# KiCad board SmartEnergyMag_System.kicad_pcb (continued)
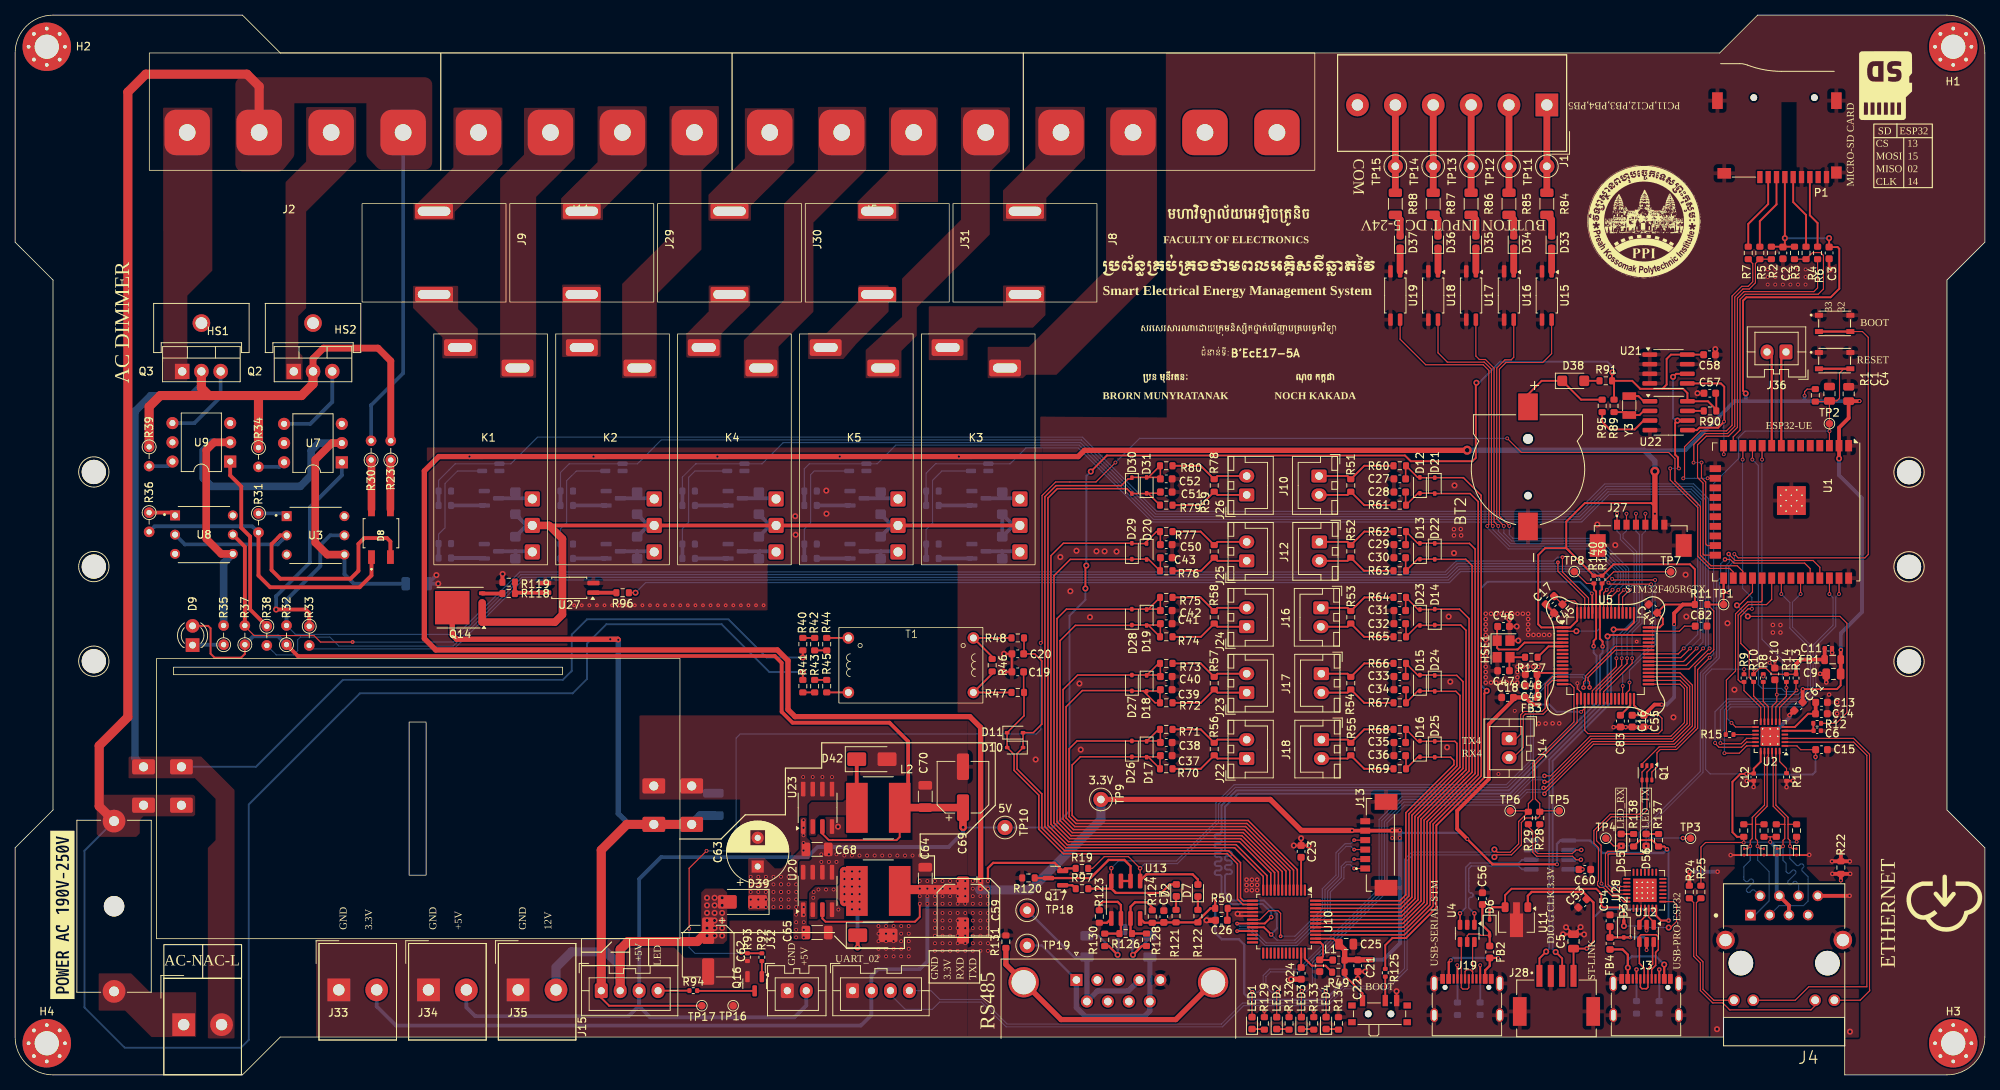
[diagram p0: board, top side]
## Routing (per net, layer and track width the routed paths; a pad name or vN(x,y) marks a point on that pad's centre or on a via; arc(x,y) is an arc through that point) (continued)
  Top w0.2: U10.47 182.85,22.5 183.98,23.63 183.98,34.47 190.31,40.81 190.31,43.79 190.04,44.07 D25.1 185.47,44.07 D16.2 185.12,44.11 R68.2 183.55,45.59 C35.1
/IC ENERGY/IN6: length 58.1
  Top w0.2: U10.3 169.24,27.12 162.76,33.6 140.19,33.6 139.52,34.27 139.52,40.94 140.61,42.02 151.12,42.02 151.12,40.44 149.59,41.97 D17.2
/IC ENERGY/IN7: length 67.7
  Top w0.2: 148.91,50.72 150.47,49.15 151.12,49.15 151.12,50.84 C39.1 151,50.72 148.91,50.72 ; 148.91,50.72 D27.1 147.35,50.77 140.87,50.77 138.73,48.63 138.73,33.94 139.86,32.8 162.43,32.8 168.24,26.99 U10.5
/IC ENERGY/IN8: length 76.6
  Top w0.2: U10.7 167.24,26.86 162.1,32 139.53,32.01 137.93,33.61 137.93,57.36 139.94,59.38 147.36,59.38 D28.1 150.99,59.42 C41.1 151.17,57.92 151.12,57.87 149.61,59.38 D19.2
/IC ENERGY/IN9: length 84.1
  Top w0.2: U10.9 166.25,26.73 161.77,31.2 139.2,31.21 137.12,33.28 137.12,65.95 139.27,68.1 147.37,68.1 D29.1 149.31,68.13 D20.2 149.63,68.09 151.12,66.6 151.17,66.65 C43.1
/IC ENERGY/IN10: length 95
  Top w0.2: D31.1 151.01,76.84 C51.1 ; D31.1 149.55,76.84 151.12,75.26 ; D31.1 149.31,76.79 D30.2 146.76,77.44 137.56,77.44 136.32,76.21 136.32,32.94 138.86,30.41 161.17,30.41 165.24,26.33 U10.11
/IC ENERGY/IP1: length 84.8
  Top w0.2: C28.1 183.55,75.31 R61.2 185.17,76.84 D12.1 187.34,76.84 D21.2 192.05,76.79 193.12,75.73 193.12,39.65 191.62,38.15 191.62,38.15 186.77,33.31 186.77,22.47 183.31,19 U10.40
/IC ENERGY/IP2: length 74
  Top w0.2: C30.1 183.55,66.65 R63.2 185.13,68.13 D13.1 187.36,68.13 D22.2 191.49,68.11 192.31,67.28 192.31,39.98 191.29,38.95 191.29,38.95 185.98,33.64 185.98,22.8 183.18,20 U10.42
/IC ENERGY/IP3: length 63.2
  Top w0.2: U10.44 183.05,21 185.18,23.13 185.18,33.97 190.95,39.75 190.96,39.75 191.51,40.31 191.51,58.72 190.81,59.42 D14.1 187.34,59.38 D23.2 185.11,59.38 R65.2 183.6,59.55 C32.1
/IC ENERGY/IP4: length 52.4
  Top w0.2: C34.1 183.6,50.84 R67.2 185.16,50.72 D15.1 187.34,50.72 D24.2 190.17,50.67 190.71,50.13 190.71,40.64 184.38,34.3 184.38,23.46 182.91,22 U10.46
/IC ENERGY/IP5: length 41.5
  Top w0.2: C36.1 183.6,42.12 R69.2 185.17,42.01 D16.1 185.47,41.97 D25.2 189.48,41.97 189.92,41.53 189.92,40.98 183.57,34.64 183.57,23.79 182.78,23 U10.48
/IC ENERGY/IP6: length 60.9
  Top w0.2: D17.1 150.93,45.64 151.12,45.64 151.17,45.59 C38.1 150.96,44.11 D26.2 140.16,44.11 139.12,43.08 139.12,34.1 140.02,33.2 162.59,33.2 168.74,27.05 U10.4
/IC ENERGY/IP7: length 69.8
  Top w0.2: U10.6 167.74,26.92 162.26,32.41 139.69,32.41 138.32,33.77 138.32,50.9 140.24,52.82 D27.2 150.97,52.82 C40.1 151.17,54.31 151.12,54.36 150.94,54.36 D18.1
/IC ENERGY/IP8: length 79.6
  Top w0.2: U10.8 166.74,26.79 161.93,31.6 139.36,31.61 137.52,33.44 137.52,60.28 138.77,61.52 D28.2 150.98,61.52 C42.1 151.17,63.02 151.12,63.07 149.53,61.48 D19.1
/IC ENERGY/IP9: length 87.2
  Top w0.2: U10.10 165.74,26.66 161.6,30.8 139.03,30.81 136.73,33.11 136.73,68.59 138.37,70.23 D29.2 147.45,70.19 149.07,70.19 ; 149.07,70.19 150.66,71.77 151.12,71.77 151.17,71.72 C50.1 ; 149.07,70.19 D20.1
/IC ENERGY/IP10: length 97.5
  Top w0.2: D31.2 149.59,78.94 151.12,80.47 151.17,80.42 C52.1 150.96,78.94 D31.2 ; D31.2 147.45,78.94 D30.1 147.25,78.73 146.9,78.73 146,77.84 137.39,77.84 135.93,76.38 135.93,32.78 138.7,30 160.96,30 164.74,26.22 U10.12
/IC ENERGY/NRST: length 4.9
  Top w0.25: C26.2 160,21.95 R50.1 U10.15
/IC ENERGY/Vref: length 4.3
  Top w0.25: U10.2 C23.2
/REAL TIME CLOCK/SQ: length 2.2
  Top w0.25: U22.7 222.89,87.72 222.9,87.71
/STM32F405/SWCLK: length 54
  Top w0.25: v1(211,58.83) 212.75,58.83 213.68,59.77 U5.49 ; J28.3 204.2,15.38 v1(203.35,16.23)
  Bottom w0.25: v1(211,58.83) 211,56.56 210.64,56.21 210.64,49.17 202.94,41.47 202.94,16.63 v1(203.35,16.23)
/STM32F405/SWDIO: length 54.1
  Top w0.25: U5.46 210.37,58.11 v1(210.19,57.94) ; J28.1 201.2,15.4 v1(202.1,16.28)
  Bottom w0.25: v1(202.1,16.28) 202.5,16.69 202.5,41.66 210.19,49.36 v1(210.19,57.94)
/Untitled Sheet/ACTLED: length 57.9
  Top w0.15: J4.10 234.97,9.86 236.75,11.63 244.43,11.63 244.43,42.21 242.68,43.96 U2.2
/Untitled Sheet/LINKLED: length 48.5
  Top w0.15: U2.3 242.67,44.46 244.78,42.35 244.78,11.25 244.8,11.23 244.8,11.11 243.55,9.86 J4.12
/Untitled Sheet/RD+: length 30.5
  Top w0.15: 234.34,30.18 234.31,30.18 v2(234.27,30.21) ; v2(234.27,30.21) 234.27,30.95 234.03,31.2 234.03,33.09 ; v2(234.27,30.21) 234.61,29.88 D3.1 ; R20.1 234.03,33.1 234.03,33.09 ; 234.03,33.09 234.03,34.02 232.41,35.63 U2.23
  Bottom w0.15: J4.3 232.86,22.37 236.07,22.37 236.67,22.95 236.67,26.17 235.91,26.93 arc(235.84,27.1) 235.91,27.27 236.04,27.4 arc(236.11,27.57) 236.04,27.74 235.96,27.82 arc(235.79,27.89) 235.62,27.82 235.49,27.69 arc(235.32,27.62) 235.15,27.69 234.26,28.57 234.26,30.2 v2(234.27,30.21)
/Untitled Sheet/RD-: length 25.9
  Top w0.15: R21.1 233.58,33.1 233.59,33.09 ; U2.22 231.91,42.09 232.06,41.94 232.06,35.49 233.59,33.96 233.59,33.09 ; 233.59,33.09 233.59,31.21 233.36,30.97 v2(233.36,30.21) 233.02,29.88 D1.1
  Bottom w0.15: J4.6 235.41,25.21 235.11,25.51 arc(234.95,25.58) 234.78,25.51 234.46,25.19 arc(234.29,25.12) 234.12,25.19 234.04,25.28 arc(233.97,25.45) 234.04,25.62 235,26.58 arc(235.07,26.75) 235,26.92 234.92,27 arc(234.75,27.07) 234.58,27 234.27,26.69 arc(234.1,26.62) 233.93,26.69 233.76,26.86 233.76,27.94 233.36,28.34 v2(233.36,30.21)
/Untitled Sheet/TD+: length 26.6
  Top w0.15: 229.74,33.1 229.74,33.1 R17.1 ; 229.74,33.1 229.74,31.2 230,30.94 v2(230,30.21) 230.33,29.88 D5.1 ; 229.74,33.1 229.74,33.96 231.26,35.49 231.26,41.95 231.41,42.1 U2.21
  Bottom w0.15: 229.06,21.11 229.65,21.11 231.51,22.97 231.51,26.85 230,28.38 v2(230,30.21)
/Untitled Sheet/TD-: length 25.9
  Top w0.15: U2.20 230.91,35.63 229.3,34.02 229.3,33.1 ; 229.3,33.1 229.3,31.21 229.04,30.95 v2(229.04,30.21) 228.7,29.88 D4.1 ; 229.3,33.1 229.29,33.1 R18.1
  Bottom w0.15: v2(229.04,30.21) 229.04,28.34 228.18,27.48 228.18,25.8 228.4,25.58 arc(228.57,25.51) 228.74,25.58 228.98,25.82 arc(229.15,25.89) 229.32,25.82 229.4,25.73 arc(229.47,25.56) 229.4,25.39 228.59,24.58 arc(228.52,24.41) 228.59,24.24 228.67,24.15 arc(228.84,24.08) 229.01,24.15 229.25,24.39 arc(229.42,24.46) 229.59,24.39 J4.2
/USB_UART/~{DTR}: length 26
  Top w0.15: Q1.2 215.39,40.65 214.75,40 Q1.4 214.75,34.81 214.37,34.44 210.55,34.44 208.39,32.28 208.39,30.61 209,30.01 209,25.62 208.87,25.49 208.87,25.06 209.18,24.75 209.66,24.75 210.88,23.53 211.64,23.53 212.29,22.88 U28.28
/USB_UART/~{RTS}: length 24.7
  Top w0.15: Q1.1 216.05,40.65 215.39,40 Q1.5 215.39,34.97 214.51,34.08 210.69,34.08 208.75,32.14 208.75,30.94 209.35,30.33 209.35,25.33 v2(209.39,25.28) ; U28.24 211.69,24.88 v2(211.67,24.91)
  Bottom w0.15: v2(209.39,25.28) 209.39,25.16 209.64,24.91 v2(211.67,24.91)
A: length 24.4
  Bottom w0.3: TP18.1 139.75,15.58 F3.1
  Bottom w0.7: J7.4 146.95,11.09 142.87,11.09 141.47,9.69 F3.1
AC-L_DM: length 294.8
  Top w0.25: R41.1 103.98,53.2 v1(103.97,53.21)
  Top w1.2: F2.2 11.1,35.49 11.1,43.48 14.88,47.27 14.88,129.84 17.23,132.19 30.61,132.19 32.21,130.59 J2.3
  Bottom w0.25: v1(103.97,53.21) 99.57,53.21 93.25,59.53 78.05,59.53 75.5,56.98 75.5,52.31 73.59,50.41 45.52,50.41 30.84,35.73 30.84,4.63 29.8,3.59 14.47,3.59 9.15,8.91 9.15,29.62 F2.2
AC-N: length 220.1
  Top w0.25: R40.1 v1(103.98,55.14) 103.97,55.13
  Top w0.9: Q2.2 39.32,94.63 40.7,96 47.89,96 49.58,94.32 R23.2
  Top w1.2: Q2.2 39.32,91.27 37.8,89.74 32.16,89.74 ; R34.1 32.12,89.7 32.16,89.74 ; 26.11,89.74 32.16,89.74 ; 26.11,89.74 19.16,89.74 17.69,88.27 R39.1 ; 26.11,89.74 25.59,89.74 24.59,90.74 Q3.2
  Bottom w0.25: v1(103.98,55.14) 99.19,55.14 94.14,60.19 75.5,60.19 73.47,58.16 73.47,53.36 72.3,52.19 43.27,52.19 31.78,40.7 PS1.1
  Bottom w1: Q3.2 24.59,91.05 23.25,89.72 17.88,89.72 15.83,87.66 15.83,41.82 PS1.1
B: length 29.7
  Bottom w0.3: J7.1 135.52,17.09 TP19.1
  Bottom w0.7: F1.1 J7.9 149.78,8.45 149.04,7.7 141.26,7.7 140.08,8.88 J7.1
BOOT: length 94.1
  Top w0.15: v2(226.94,68.8) 227.44,68.3 244.17,68.3 244.62,68.75 244.62,97.42 243.84,98.2 SW2.4 ; R11.2 224.22,61.28 224.22,56.15 223.71,55.64 223.46,55.64 221.75,53.92 221.75,45.94 219.14,43.33 217.01,43.33 214.75,41.07 Q1.3
  Top w0.25: v2(226.2,63.72) 225.51,63.72 U1.25 TP1.1 R11.2
  Top w0.3: SW2.4 SW2.3
  Bottom w0.15: v2(226.94,68.8) 226.94,67.91 226.19,67.16 226.19,63.74 v2(226.2,63.72)
BOOT0: length 75.4
  Top w0.25: v2(208.11,63.59) 208.19,63.52 U5.60 ; v1(194.25,50.73) 193.94,50.43 193.94,39.3 187.6,32.96 187.6,22.09 183.58,18.07 181.8,18.07 180.86,17.13 R125.1
  Bottom w0.25: v1(194.25,50.73) 193.49,51.49 193.49,64.28 194.35,65.13 206.57,65.13 v2(208.11,63.59)
EMAC_CRS_DV: length 39.2
  Top w0.15: v2(228.02,81.28) 228.06,81.31 U1.12 ; U2.11 230.91,48.62 229.48,50.05 R10.1 228.88,52.51 228.88,55.9 227.79,56.99 227.79,60.6 228.75,61.56 v2(229.25,61.56)
  Bottom w0.15: v2(229.25,61.56) 229.25,63.06 228.01,64.3 228.01,81.27 v2(228.02,81.28)
EMAC_MDC: length 34.4
  Top w0.15: U1.37 240.75,63.55 240.74,63.52 ; U2.13 227.1,45.96 v2(226.56,46.5)
  Bottom w0.15: 240.74,63.52 240.31,63.1 240.31,59.24 237.69,56.61 237.69,50.44 235.85,48.61 226.5,48.61 225.97,48.08 225.97,47.09 v2(226.56,46.5)
  vias: v2(240.75,63.52)
EMAC_MDIO: length 23.7
  Top w0.15: U1.30 231.87,62.81 231.18,62.12 228.81,62.12 227.44,60.74 227.44,52.19 227.72,51.91 R9.1 228.21,50.76 230.41,48.56 U2.12
EMAC_RXD0: length 39.2
  Top w0.15: R14.1 233.81,51.09 233.81,51.08 233.81,51.08 233.81,50.01 232.41,48.61 U2.8 ; v2(230.6,81.28) U1.10
  Bottom w0.15: v2(233.81,51.14) 233.81,51.78 233.27,52.31 233.27,54.83 230.58,57.53 230.58,81.27 v2(230.6,81.28)
EMAC_RXD1: length 43.6
  Top w0.15: 232.92,46.63 232.92,48.55 235.08,50.71 235.08,50.73 v2(235.14,50.8) 235.08,50.86 R13.1 ; v2(229.31,81.29) 229.32,81.3 U1.11
  Bottom w0.15: v2(229.31,81.29) 230.1,80.51 230.1,51.56 230.6,51.06 233.15,51.06 233.59,50.62 234.97,50.62 v2(235.14,50.8)
EMAC_TX_EN: length 38.6
  Top w0.15: v2(235.68,63.52) U1.33 235.67,65.61 ; U2.16 228.55,44.46 227.84,43.74 225.18,43.74 v2(225.1,43.83)
  Bottom w0.15: v2(235.68,63.52) 234.61,62.45 234.61,59.16 236.99,56.78 236.99,50.73 235.56,49.31 226.21,49.31 225.1,48.19 v2(225.1,43.83)
EMAC_TXD0: length 39.7
  Top w0.15: U2.17 228.55,43.96 227.88,43.28 224.9,43.28 224.4,43.79 v2(224.4,43.85) ; U1.31 v2(233.13,63.52)
  Bottom w0.15: v2(224.4,43.85) 224.38,43.86 224.38,47.97 226.07,49.66 235.42,49.66 236.63,50.88 236.63,56.63 234.25,59.02 234.25,62.41 v2(233.13,63.52)
EMAC_TXD1: length 39.3
  Top w0.15: 239.5,63.33 239.49,63.34 ; U2.18 228.54,43.46 227.58,42.49 225.62,42.49 ; U1.36 v2(239.49,63.52)
  Bottom w0.15: v2(225.62,42.49) 225.62,48.22 226.36,48.96 235.71,48.96 237.33,50.59 237.33,56.76 239.97,59.39 239.97,63.05 v2(239.49,63.52)
EN: length 82
  Top w0.15: C1.1 240.46,89.04 240.81,89.39 240.81,92.7 241.39,93.28 SW1.4 ; C1.1 TP2.1 239.5,86.02 v2(239.5,85.03) 239.49,85.02 U1.3 ; C1.1 239.39,88.95 R1.2 ; Q1.6 216.05,40 216.72,40.68 216.72,42.55 217.16,42.98 219.28,42.98 222.1,45.8 222.1,53.53 223.67,55.11 v2(223.68,55.11)
  Top w0.3: SW1.3 SW1.4
  Bottom w0.15: v2(239.5,85.03) 228.37,85.03 227.5,84.17 227.5,81.42 224.19,78.11 224.19,55.63 223.68,55.12 v2(223.68,55.11)
GPIO2/MISO: length 54.6
  Top w0.15: R6.1 237.92,103.96 237.44,103.47 228.21,103.47 227.33,102.6 227.33,85.53 226.18,84.38 223.23,84.38 222.07,83.22 222.07,78.91 222.81,78.18 222.81,68.8 222.94,68.66 U1.24
GPIO4/INT: length 38.1
  Top w0.15: v2(218.48,80.11) 218.48,78.58 222.11,74.95 222.11,68.51 223.71,66.91 226.31,66.91 226.79,66.44 U1.26
  Top w0.25: v2(219.62,80.11) 219.5,80.24 219.5,81.56 219.12,81.94 219.12,86.11 219.44,86.44 U22.6 220.73,86.44 v1(219.42,86.44) ; U21.6 219.25,92.61 v1(218.85,92.21)
  Bottom w0.15: v2(218.48,80.11) 219.46,80.11 219.52,80.17 219.58,80.11 v2(219.62,80.11)
  Bottom w0.25: v1(218.85,92.21) 218.85,86.78 219.19,86.44 v1(219.42,86.44)
GPIO12: length 20.5
  Top w0.15: U1.14 225.51,82 v2(225.54,81.98)
  Top w0.25: U22.5 222,85.17 222.32,85.5 224.8,85.5 225.61,86.31 225.61,90.9 225.16,91.34 U21.5
  Bottom w0.15: v2(225.54,81.98) 225.54,86.27 v2(225.56,86.3)
GPIO13/CS: length 39.7
  Top w0.15: v2(220.19,78.8) 220.36,78.97 220.36,82.97 222.46,85.08 225.89,85.08 226.63,85.82 226.63,102.89 227.92,104.17 228.75,104.17 229.37,104.78 229.37,107.16 R7.1 ; v2(223.41,78.81) U1.16
  Bottom w0.15: v2(220.19,78.8) 221.62,78.8 221.63,78.81 v2(223.41,78.81)
GPIO14/CLK: length 40.1
  Top w0.15: R3.1 R4.1 237.27,108.63 238.31,108.63 238.69,108.25 238.69,103.82 238,103.12 228.36,103.12 227.69,102.45 227.69,85.19 226.79,84.28 U1.13
GPIO15/MOSI: length 47.7
  Top w0.15: v2(221.55,80.88) 221.58,80.88 221.58,83.28 223.02,84.72 226.03,84.72 226.99,85.68 226.99,102.74 228.07,103.82 228.9,103.82 229.71,104.64 229.71,107.18 R5.1 R2.1 ; v2(222.6,80.89) 222.6,80.89 222.6,78.88 223.16,78.32 223.16,70.13 223.37,69.92 U1.23
  Bottom w0.15: v2(222.6,80.89) 221.56,80.89 v2(221.55,80.88)
GPIO16: length 223.1
  Top w0.15: v2(91.27,29.59) 88.97,27.29 v2(88.97,19.31) ; v2(135.38,57.06) 135.55,57.06 135.55,76.53 137.34,78.33 142.67,78.33 v2(145.24,80.89) ; v2(95.84,16.06) R93.2 ; v2(196.95,84.08) 198.81,82.22 218.26,82.22 219.1,81.39 219.1,78.45 222.45,75.09 222.45,68.65 223.85,67.25 227.32,67.25 228.06,66.52 U1.27
  Top w0.25: R92.2 R93.2
  Bottom w0.15: v2(196.95,84.08) 148.43,84.08 v2(145.24,80.89) ; v2(91.27,29.59) 94.47,29.59 95.17,30.3 95.17,44.49 95.72,45.03 134.81,45.03 135.38,45.61 135.38,57.06 v2(135.38,57.06) ; v2(88.97,19.31) 88.97,16.82 89.75,16.04 95.83,16.04 v2(95.84,16.06)
HSE_IN: length 12
  Top w0.25: U5.5 199.25,57.11 198.33,56.19 195.84,56.19 195.62,56.42 HSE1.1 195.62,59.16 195.69,59.24
HSE_OUT: length 3.9
  Top w0.25: R127.1 202.4,56.61 U5.6
IO5_RST: length 23.7
  Top w0.15: U1.29 230.6,62.62 230.44,62.47 228.67,62.47 227.08,60.89 227.08,53.35 225.88,52.14 225.88,45.04 R15.2
IO17_RCLK: length 4.8
  Top w0.25: U2.5 237.39,45.46 C6.1 237.36,45.5 R12.1
LED_A: length 90.8
  Top w0.15: v3(201.87,39.5) 202.67,39.5 207.9,44.73 218.55,44.73 220.35,46.53 220.35,51.03 219.77,51.61 U5.33 ; v3(163.3,10.92) 163.26,10.9 LED1.2
  Bottom w0.15: v3(201.87,39.5) 201.7,39.33 200.1,39.33 197.5,36.73 183.05,36.73 180.05,33.73 180.05,24.63 169.37,13.96 165.58,13.96 164.75,13.13 164.75,11.62 164.05,10.92 v3(163.3,10.92)
LED_B: length 91.8
  Top w0.15: v3(201.87,38.7) 202.37,38.7 208.05,44.38 218.69,44.38 220.69,46.39 220.69,51.18 220.44,51.43 220.44,51.44 219.77,52.11 U5.34 ; v3(166.68,10.92) 166.52,10.78 LED2.2
  Bottom w0.15: v3(201.87,38.7) 201.59,38.98 200.25,38.98 197.65,36.38 183.19,36.38 180.39,33.59 180.39,24.49 169.51,13.61 165.72,13.61 165.1,12.98 165.1,11.66 165.83,10.92 v3(166.68,10.92)
LED_C: length 87.5
  Top w0.15: LED3.2 169.79,11.01 v3(169.83,11.06) ; U5.35 219.77,52.61 221.05,51.33 221.05,46.25 218.83,44.03 208.19,44.03 202.07,37.91 v3(201.75,37.91)
  Bottom w0.15: 171.25,14.85 171.25,11.82 170.49,11.06 v3(169.83,11.06) ; 171.25,14.85 180.75,24.35 180.75,33.45 183.33,36.03 197.8,36.03 199.44,37.69 201.53,37.69 v3(201.75,37.91) ; 171.25,14.85 171.25,14.78
LED_D: length 88.3
  Top w0.15: LED4.2 173.05,11.06 v3(173.02,11.07) ; v3(201.87,37.12) 201.87,37.22 208.34,43.69 219,43.69 220.13,44.82 220.13,44.83 221.39,46.1 221.39,51.48 219.76,53.11 U5.36
  Bottom w0.15: v3(173.02,11.07) 172.37,11.07 171.6,11.85 171.6,14.7 181.1,24.2 181.1,33.3 183.43,35.63 197.89,35.63 199.6,37.33 201.66,37.33 v3(201.87,37.12)
PA8: length 138.5
  Top w0.15: U5.41 219.51,55.61 v2(220.25,56.34)
  Bottom w0.15: R101.2 120.26,79.49 121.49,80.73 U33.2 131.35,80.73 133.44,82.83 140.32,82.83 150.12,73.03 206.77,73.03 210.42,76.69 220.97,76.69 222.1,75.56 222.1,58.19 v2(220.25,56.34)
  Bottom w0.5: R100.2 R101.2
PB3: length 54.6
  Top w0.15: v2(211.62,64.08) 210.69,63.15 U5.55 ; U17.4 192.81,94.97 193.27,94.51 194.07,94.51 195.22,93.36 195.22,73.06 195.25,73.03 195.26,73.03 195.77,72.53 v2(195.77,72.51)
  Bottom w0.15: v2(195.77,72.51) 195.77,71.82 197.41,70.19 208.71,70.19 212.27,66.62 212.27,64.73 v2(211.62,64.08)
PB4: length 59
  Top w0.15: U18.4 187.81,95.39 189.05,94.16 193.93,94.16 194.87,93.22 194.87,72.69 v2(195.05,72.51) 195.09,72.51 ; v2(210.86,64.08) 210.19,63.41 U5.56
  Bottom w0.15: v2(195.05,72.51) 195.05,72.05 197.26,69.83 208.56,69.83 211.92,66.48 211.92,65.15 v2(210.86,64.08)
PB5: length 62.7
  Top w0.15: U5.57 209.69,63.67 v2(210.1,64.08) ; U19.4 182.81,97.19 186.19,93.81 193.78,93.81 194.52,93.07 194.52,72.71 v2(194.32,72.51)
  Bottom w0.15: v2(210.1,64.08) 210.12,64.08 211.57,65.54 211.57,66.33 208.42,69.48 197.12,69.48 194.32,72.28 v2(194.32,72.51)
PB8: length 198.1
  Top w0.15: v5(204.25,68.38) 204.25,66.44 207.69,62.99 U5.61
  Bottom w0.15: v5(204.25,68.38) 203.58,68.38 203.08,67.88 190.21,67.88 188.76,66.44 66.62,66.44 58.36,58.19 37,58.19 R32.2
  Bottom w0.5: U3.5 41.58,71.27 40.29,69.97 40.29,67.22 35.82,62.75 R32.2
PB9: length 199.5
  Top w0.15: v5(203.64,67.71) 203.64,66.54 207.19,63 U5.62 ; R37.2 30.32,59.26 31.55,58.03 39.45,58.03 40.3,57.19 v5(44.55,57.19)
  Top w0.5: R37.2 30.32,69.78 U8.5
  Bottom w0.15: v5(44.55,57.19) 57.86,57.19 66.76,66.09 188.9,66.09 190.35,67.53 203.47,67.53 v5(203.64,67.71)
PC6: length 208.8
  Top w0.15: U5.37 220.94,53.61 v2(223.67,56.34)
  Bottom w0.15: R105.2 55.89,78.53 58.09,80.73 U29.2 65.45,80.73 68.95,84.23 140.89,84.23 150.69,74.44 206.19,74.44 209.85,78.08 221.55,78.08 223.5,76.13 223.5,56.44 223.67,56.27
  Bottom w0.5: R104.2 R105.2
PC7: length 191.5
  Top w0.15: U5.38 220.58,54.11 v2(222.81,56.34)
  Bottom w0.15: R109.2 71.98,79.58 73.14,80.73 U30.2 82.14,80.73 85.3,83.88 140.75,83.88 150.55,74.08 206.34,74.08 209.99,77.73 221.4,77.73 223.14,75.99 223.14,56.67 v2(222.81,56.34)
  Bottom w0.5: R108.2 R109.2
PC8: length 173.5
  Top w0.15: U5.39 220.23,54.61 v2(221.96,56.34)
  Bottom w0.15: v2(221.96,56.34) 222.8,57.18 222.8,75.85 221.26,77.38 210.13,77.38 206.48,73.73 150.41,73.73 140.61,83.53 101.39,83.53 98.59,80.73 U31.2 89.84,80.73 88.08,78.97 R113.2
  Bottom w0.5: R112.2 R113.2
PC9: length 156.4
  Top w0.15: U5.40 219.87,55.11 v2(221.1,56.34)
  Bottom w0.15: R117.2 104.17,80.05 104.84,80.73 U32.2 113.8,80.73 116.24,83.19 140.46,83.19 150.26,73.38 206.63,73.38 210.28,77.03 221.11,77.03 222.44,75.7 222.44,57.69 v2(221.1,56.34)
  Bottom w0.5: R116.2 R117.2
PC11: length 58.6
  Top w0.15: U5.52 212.19,63.12 v2(213.14,64.08) ; v2(197.23,72.51) 197.23,72.53 196.72,73.03 196.7,73.03 195.92,73.82 195.92,93.24 196.79,94.11 201.64,94.11 202.81,95.28 U15.4
  Bottom w0.15: v2(213.14,64.08) 212.97,64.26 212.97,66.91 209,70.88 197.69,70.88 197.23,71.35 v2(197.23,72.51)
PC12: length 54.3
  Top w0.15: 196.52,72.51 195.57,73.46 195.57,93.39 196.64,94.46 197.47,94.46 197.81,94.8 U16.4 ; v2(212.38,64.08) 211.69,63.39 U5.53
  Bottom w0.15: 196.52,72.51 v2(196.5,72.51) 196.5,71.58 197.55,70.53 208.85,70.53 212.62,66.77 212.62,64.32 v2(212.38,64.08)
PC13: length 141.4
  Top w0.15: v1(206.08,58.61) 206.08,58.61 U5.2 ; R96.1 v1(81.89,63.69)
  Bottom w0.15: v1(81.89,63.69) 83.23,65.03 189.34,65.03 190.79,66.48 208.24,66.48 209.25,65.47 209.25,59.09 208.79,58.62 206.1,58.62 v1(206.08,58.61)
RX/SDI: length 131.9
  Top w0.15: J13.3 v5(176.75,29.76) ; TP7.1 211,66.45 R139.2
  Top w0.25: U10.20 164.83,19.5 v3(165.8,18.53) ; R139.2 209.47,64.16 209.19,63.88 U5.58 209.19,57.62 209.55,57.26 v3(209.55,56.61)
  Bottom w0.15: v5(176.75,29.76) 176.32,30.19 175.69,30.19 174.69,29.19 174.69,26.23 172.89,24.43 172.89,21.77 168.91,17.78 166.55,17.78 v3(165.8,18.53)
  Bottom w0.25: v3(209.55,56.61) 209.55,55.78 209.19,55.44 209.19,49 197.33,37.13 161.41,37.13 159.69,35.42 159.69,29.76 arc(159.77,29.59) 159.94,29.52 160.35,29.52 arc(160.52,29.45) 160.59,29.28 160.59,29.16 arc(160.52,28.99) 160.35,28.92 159.94,28.92 arc(159.77,28.85) 159.69,28.68 159.69,28.56 arc(159.77,28.39) 159.94,28.32 160.35,28.32 arc(160.52,28.25) 160.59,28.08 160.59,27.96 arc(160.52,27.79) 160.35,27.72 159.94,27.72 arc(159.77,27.65) 159.69,27.48 159.69,27.36 arc(159.77,27.19) 159.94,27.12 160.35,27.12 arc(160.52,27.05) 160.59,26.88 160.59,26.76 arc(160.52,26.59) 160.35,26.52 159.94,26.52 arc(159.77,26.45) 159.69,26.28 159.69,24.06 160.72,23.03 164.85,23.03 166.55,21.34 166.55,19.34 165.8,18.59 v3(165.8,18.53)
RX_RS485: length 107.2
  Top w0.15: v3(207.02,51.16) 207.02,51.89 207.27,52.13 207.27,52.65 211.23,56.61 U5.43 ; U13.1 148.5,27.28 v3(148.5,27.29) 146.95,28.83 143.76,28.83 142.2,27.28 R19.2
  Top w0.3: U13.1 148.5,25.66 149.33,26.5 155.43,26.5 156.12,25.79 D7.2
  Top w0.5: 148.52,25.59 U13.1
  Bottom w0.15: v3(148.5,27.29) 149.11,27.91 153.42,27.91 158.85,33.33 158.85,35.78 161.05,37.98 196.98,37.98 200.39,41.39 200.39,49.74 203.19,52.53 206.9,52.53 207.27,52.17 207.27,51.78 207.02,51.54 v3(207.02,51.16)
RXD_ESP: length 70
  Top w0.15: U28.26 211.03,23.88 209.92,24.99 209.92,29.23 210.22,29.53 211.28,29.53 v3(212,30.25) 211.01,30.25 210,31.26 TP4.1 ; U1.34 236.94,66.88 236.22,67.6 226.89,67.6 226.4,68.1 v3(225.7,68.1)
  Bottom w0.15: v3(225.7,68.1) 225.13,67.53 225.13,65.7 224.59,65.16 224.59,55.21 222.44,53.07 222.44,40.08 214.35,31.98 214.35,30.91 213.68,30.25 v3(212,30.25)
SCL: length 12.6
  Top w0.3: U1.8 233.13,94.89 J36.1
SDA: length 12.6
  Top w0.3: J36.2 231.87,94.89 U1.9
SPI1_CS: length 28
  Top w0.15: U5.24 209.69,50.62 213.44,54.38 v2(213.44,55.03) ; 215.19,72.72 215.19,74.03
  Bottom w0.15: v2(213.44,55.03) 213.44,58.41 214.75,59.71 214.75,71.38 215.19,71.83 v2(215.19,74.13)
SPI1_CS_SE: length 27.1
  Top w0.15: J13.4 v5(176.75,31.01) ; v5(167.05,18.31) 167.05,21.34 166.69,21.69 165.5,21.69 164.31,20.5 U10.18
  Bottom w0.15: v5(167.05,18.31) 168.94,18.31 172.55,21.92 172.55,24.57 174.35,26.37 174.35,29.33 175.55,30.53 176.27,30.53 v5(176.75,31.01)
SPI1_MISO: length 29
  Top w0.15: v2(212.07,55.03) 212.07,54.13 208.69,50.74 U5.22 ; 212.69,72.72 212.69,74.08
  Bottom w0.15: v2(212.69,74.13) 212.69,71.88 212.25,71.44 212.25,70.91 214.05,69.11 214.05,60 212.07,58.02 v2(212.07,55.04)
SPI1_MISO_SE: length 131.1
  Top w0.15: J13.2 v5(176.75,28.51) ; 205.85,66.48 205.87,66.48 207.42,64.93 R140.2
  Top w0.25: v3(208.36,56.63) 208.36,57.32 208.69,57.65 U5.59 208.69,63.84 208.42,64.11 208.42,64.93 ; v3(165.8,20.84) 164.96,20 U10.19 161.31,20 v5(161.3,19.98)
  Bottom w0.15: v5(176.75,28.51) 176.37,28.13 175.64,28.13 175.05,27.53 175.05,26.09 173.25,24.28 173.25,21.63 169.05,17.44 165.14,17.44 162.94,19.63 161.64,19.63 v5(161.3,19.98)
  Bottom w0.25: v3(165.8,20.84) 165.8,21.45 164.66,22.59 160.53,22.59 159.25,23.87 159.25,26.16 arc(159.17,26.33) 159,26.4 158.59,26.4 arc(158.42,26.47) 158.35,26.64 158.35,26.76 arc(158.42,26.93) 158.59,27 159,27 arc(159.17,27.07) 159.25,27.24 159.25,27.36 arc(159.17,27.53) 159,27.6 158.59,27.6 arc(158.42,27.67) 158.35,27.84 158.35,27.96 arc(158.42,28.13) 158.59,28.2 159,28.2 arc(159.17,28.27) 159.25,28.44 159.25,28.56 arc(159.17,28.73) 159,28.8 158.59,28.8 arc(158.42,28.87) 158.35,29.04 158.35,29.16 arc(158.42,29.33) 158.59,29.4 159,29.4 arc(159.17,29.47) 159.25,29.64 159.25,29.76 arc(159.17,29.93) 159,30 158.59,30 arc(158.42,30.07) 158.35,30.24 158.35,30.36 arc(158.42,30.53) 158.59,30.6 159,30.6 arc(159.17,30.67) 159.25,30.84 159.25,30.96 arc(159.17,31.13) 159,31.2 158.59,31.2 arc(158.42,31.27) 158.35,31.44 158.35,31.56 arc(158.42,31.73) 158.59,31.8 159,31.8 arc(159.17,31.87) 159.25,32.04 159.25,35.61 161.22,37.58 197.15,37.58 208.75,49.18 208.75,55.38 208.36,55.77 v3(208.36,56.63)
SPI1_MOSI: length 28.2
  Top w0.15: U5.23 209.19,50.75 212.77,54.34 v2(212.77,55.04) ; 213.94,72.72 213.94,74.08
  Bottom w0.15: v2(213.94,74.13) 213.94,71.83 214.39,71.38 214.39,59.85 212.77,58.23 v2(212.77,55.03)
SPI1_SCK: length 29.1
  Top w0.15: v2(211.37,55.03) 211.37,53.92 208.19,50.74 U5.21 ; 211.44,72.72 v2(211.44,74.13)
  Bottom w0.15: v2(211.37,55.03) 211.39,55.06 211.39,57.84 213.69,60.14 213.69,68.94 211.89,70.73 211.89,71.38 211.44,71.83 v2(211.44,74.13)
SPI1_SCK_SE: length 27.1
  Top w0.15: 176.8,27.28 176.77,27.28 v5(176.75,27.26) J13.1 ; 161.31,19 v5(161.3,18.98)
  Top w0.25: U10.21 161.31,19
  Bottom w0.15: v5(176.75,27.26) 176.22,27.78 175.79,27.78 175.39,27.39 175.39,25.94 173.6,24.14 173.6,21.48 169.2,17.09 165,17.09 162.8,19.28 161.6,19.28 v5(161.3,18.98)
TIM2_CH3: length 199.3
  Top w0.15: v2(215.94,64.81) 215.92,64.83 210.5,64.83 v2(210.31,65.02) ; v2(212.19,51.38) 212.19,51.38 U5.29
  Bottom w0.15: v2(215.94,64.81) 216.12,64.63 216.12,56.97 212.19,53.04 v2(212.19,51.38) ; R33.2 39.26,56.28 57.95,56.28 67.05,65.38 189.19,65.38 190.64,66.83 208.5,66.83 v2(210.31,65.02)
TIM2_CH4: length 208.5
  Top w0.15: v2(216.47,65.38) 216.46,65.38 210.94,65.38 v2(210.81,65.52) ; v2(213.1,51.83) 213.1,50.87 212.69,50.46 U5.30
  Bottom w0.15: v2(210.81,65.52) 209.14,67.19 190.5,67.19 190.3,66.98 190.3,66.98 189.05,65.73 66.9,65.73 57.8,56.63 42.75,56.63 41.55,57.83 37.65,57.83 37.3,57.48 37.3,56.03 36.75,55.48 34.46,55.48 R38.2 ; v2(213.1,51.83) 213.1,53.45 216.47,56.82 v2(216.47,65.38)
TX_RS485: length 108.1
  Top w0.15: v3(207.82,51.19) 207.82,51.91 207.62,52.11 207.62,52.51 211.22,56.11 U5.42 ; U13.4 144.69,27.31 v3(144.69,27.31)
  Top w0.3: 144.67,25.59 U13.4 144.69,24.64 145.29,24.03 ; 145.29,24.03 144.73,24.59 R97.2 ; 145.29,24.03 151.27,24.03 152.4,25.16 D2.2
  Bottom w0.15: v3(207.82,51.19) 207.82,51.56 207.62,51.76 207.62,52.31 207.05,52.88 203.05,52.88 200.04,49.88 200.04,41.54 196.84,38.33 160.91,38.33 158.5,35.92 158.5,33.48 153.27,28.25 145.64,28.25 v3(144.69,27.31)
